# KiCad board HW.ACIM-DBG.kicad_pcb (continued)
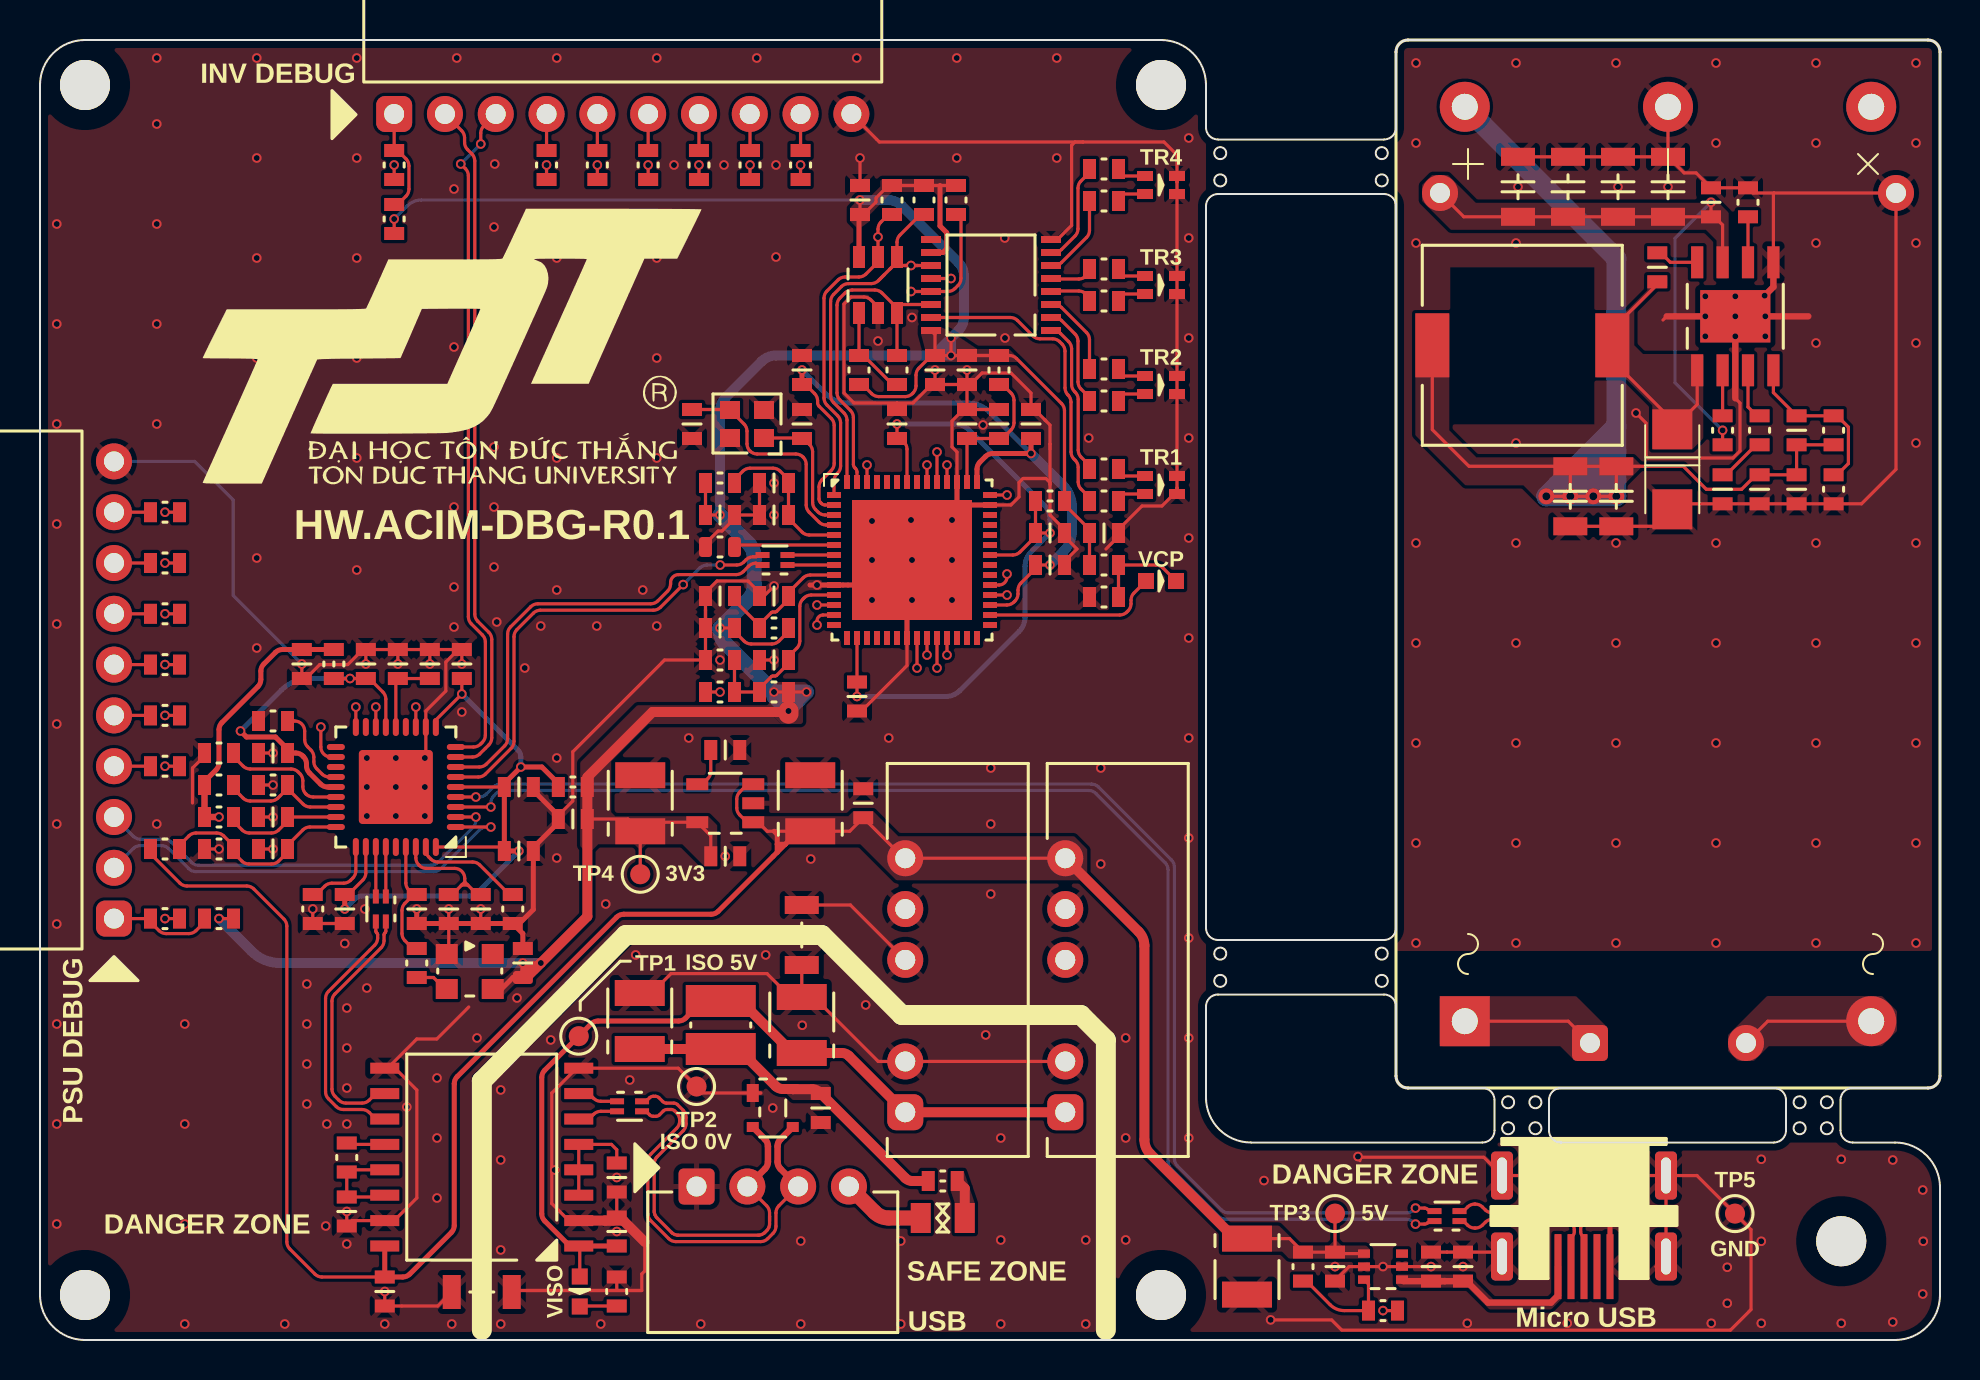
[diagram p0: board, top side]
## Nets
+3V3: C7.+ C8.2 C19.2 C24.2 C25.2 C38.2 C41.2 C44.2 C47.2 C51.2 C52.2 FT4.1 FT5.1 FT7.1 FT8.1 FT9.1 FT10.1 R5.1 R11.2 R15.1 R30.2 R31.2 R33.2 R34.2 R46.2 R47.2 R49.2 TP4.1 U1.5 U4.4 U6.6 U7.10 U7.16
+5V: C2.+ C4.2 C11.2 C15.2 C54.+ MD1.6 R6.1 R48.2 TP3.1 U1.1 U1.3 U3.16 U9.4
+5V_ISO: C1.+ C12.2 D6.A L1.2 MD1.1 TP1.1 U3.1
GND: C2.- C4.1 C5.2 C6.2 C7.- C8.1 C9.1 C10.1 C11.1 C13.1 C14.1 C15.1 C17.1 C18.1 C19.1 C20.1 C21.1 C22.1 C23.1 C24.1 C25.1 C26.1 C27.1 C28.1 C29.1 C30.1 C31.1 C32.1 C33.1 C34.1 C35.1 C36.1 C37.1 C38.1 C39.1 C40.1 C41.1 C42.1 C43.1 C44.1 C45.1 C46.1 C47.1 C48.1 C49.1 C50.1 C51.1 C52.1 C53.1 C54.- D2.1 D2.4 D3.1 D3.4 D4.1 D4.4 D5.1 D5.4 J1.10 J2.5 J2.6 J2.7 J2.8 J2.9 J3.10 MD1.4 MD1.5 R3.2 R7.2 R9.2 R10.2 R12.1 R13.1 R14.1 R16.2 R29.2 TP5.1 U1.2 U2.11 U2.37 U3.9 U3.15 U4.2 U5.10 U5.21 U5.41 U5.45 U5.57 U6.2 U7.8 U8.2 U8.4 U9.2 U9.5
GND_ISO: C1.- C3.1 C5.1 C6.1 C12.1 C16.1 C55.- D1.1 J4.1 MD1.2 R1.2 TP2.1 U3.2 U3.8
PGND: C56.1 C57.1 C58.1 C59.1 C62.1 C63.1 C64.1 C65.1 C66.1 C67.1 D8.A MD3.3 MD4.4 R51.1 R53.1 U10.5 U10.9
/USB HUB/INV_CTS2: J1.9 R27.1
/USB HUB/INV_RTS2: J1.8 R28.1
/USB HUB/INV_RXD1: J1.5 R23.1
/USB HUB/INV_RXD2: J1.7 R25.1
/USB HUB/INV_TXD1: J1.4 R24.1
/USB HUB/INV_TXD2: J1.6 R26.1
/USB HUB/INV_VBUS: J1.1 R45.2 R46.1
/USB HUB/PRG_VBUS: R43.2 R48.1 U9.6
/USB HUB/PSU_CTS2: J3.9 R21.2
/USB HUB/PSU_RTS2: J3.8 R22.2
/USB HUB/PSU_RXD1: J3.5 R17.2
/USB HUB/PSU_RXD2: J3.7 R19.2
/USB HUB/PSU_TXD1: J3.4 R18.2
/USB HUB/PSU_TXD2: J3.6 R20.2
/USB HUB/PSU_VBUS: J3.1 R2.2 R49.1
/USB HUB/SYS_CLK: C18.2 R8.1 U2.33
/USB HUB/USB1_N: D1.3 FT3.3 J4.3
/USB HUB/USB1_P: D1.2 FT3.2 J4.2
/USB HUB/USB2_N: FT2.3 U3.11
/USB HUB/USB2_P: FT2.2 U3.10
/USB HUB/USB3_N: FT11.2 U2.3
/USB HUB/USB3_P: FT11.3 U2.4
/USB HUB/USB4_N: FT6.3 U2.6
/USB HUB/USB4_P: FT6.2 U2.7
/USB HUB/USB5_N: J3.2 U2.1
/USB HUB/USB5_P: J3.3 U2.2
/USB HUB/USB6_N: FT11.1 J2.2
/USB HUB/USB6_P: FT11.4 J2.3
/USB HUB/USB7_N: J1.2 U2.8
/USB HUB/USB7_P: J1.3 U2.9
/USB HUB/VCP_VBUS: C34.2 R16.1 R44.2 R47.1 U5.11
/VCP/EECLK: R33.1 U5.56 U6.4 U7.11
/VCP/EECS: R30.1 U5.1 U6.5 U7.12
/VCP/EEDATA: R32.1 U5.55 U6.3 U7.14
/VCP/OSCI: C32.2 U5.3 U8.1
/VCP/OSCO: C33.2 U5.4 U8.3
/VCP/~{PWREN}: R34.1 U5.54 U7.13
Net-(C26-Pad2): C26.2 C27.2 FT4.2 U2.15 U2.23
Net-(C28-Pad2): C28.2 C29.2 C30.2 C31.2 FT5.2 U2.5 U2.10 U2.29 U2.36
Net-(C48-Pad2): C48.2 C49.2 C50.2 FT10.2 U5.16 U5.36 U5.50
Net-(C59-Pad2): C59.2 R52.1
Net-(D1-CH3): C3.2 C55.+ D1.4 FT1.2 L1.1
Net-(D2-GA): D2.2 R42.2
Net-(D2-RA): D2.3 R41.2
Net-(D3-GA): D3.2 R40.2
Net-(D3-RA): D3.3 R39.2
Net-(D4-GA): D4.2 R38.2
Net-(D4-RA): D4.3 R37.2
Net-(D5-GA): D5.2 R36.2
Net-(D5-RA): D5.3 R35.2
Net-(D6-PadK): D6.K R1.1
Net-(D7-PadK): D7.K R3.1 R15.2
Net-(F1-Pad1): F1.1 J4.4
Net-(F1-Pad2): F1.2 FT1.1
Net-(J2-VCC): C9.2 C10.2 J2.1 U9.1
Net-(MD3-ACL): MD3.2 MD4.2
Net-(MD3-ACN): MD3.1 MD4.1
Net-(MD3-DC+): C56.2 C57.2 C58.2 C64.2 C65.2 MD3.4 R50.2 U10.7
Net-(MD4-DC+): C61.2 C62.2 C63.2 C66.2 C67.2 L2.2 MD4.5 R54.2
Net-(U1-NC/BP): C53.2 U1.4
Net-(U2-CRFILT): C22.2 C23.2 U2.14
Net-(U2-HS_IND/CFG_SEL1): R11.1 R14.2 U2.25
Net-(U2-PLLFILT): C20.2 C21.2 U2.34
Net-(U2-PRTPWR1/BC_EN1): R2.1 U2.12
Net-(U2-PRTPWR2/BC_EN2): R43.1 U2.16
Net-(U2-PRTPWR3/BC_EN3): R44.1 U2.18
Net-(U2-PRTPWR4/BC_EN4): R45.1 U2.20
Net-(U2-RBIAS): R9.1 U2.35
Net-(U2-SCL/SMBCLK/CFG_SEL0): R13.2 U2.24
Net-(U2-SDA/SMBDATA/NON_REM1): R10.1 U2.22
Net-(U2-SUSP_IND/LOCAL_PWR/NON_REM0): R12.2 U2.28
Net-(U2-USBDM_UP): FT2.4 U2.30
Net-(U2-USBDP_UP): FT2.1 U2.31
Net-(U2-VBUS_DET): C14.2 R6.2 R7.1 U2.27
Net-(U2-~{RESET}): C17.2 R5.2 U2.26
Net-(U3-PDEN): C16.2 U3.3 U3.4 U3.5
Net-(U3-PIN): R4.1 U3.12
Net-(U3-SPD): C13.2 R4.2 U3.13 U3.14
Net-(U3-UD+): FT3.1 U3.7
Net-(U3-UD-): FT3.4 U3.6
Net-(U4-CLKO): R8.2 U4.3
Net-(U5-ADBUS0/TXD): R17.1 U5.12
Net-(U5-ADBUS1/RXD): R18.1 U5.13
Net-(U5-BDBUS0/TXD): R19.1 U5.22
Net-(U5-BDBUS1/RXD): R20.1 U5.23
Net-(U5-BDBUS2/~{RTS}): R21.1 U5.24
Net-(U5-BDBUS3/~{CTS}): R22.1 U5.25
Net-(U5-CDBUS0/TXD): R23.2 U5.32
Net-(U5-CDBUS1/RXD): R24.2 U5.33
Net-(U5-DDBUS0/TXD): R25.2 U5.42
Net-(U5-DDBUS1/RXD): R26.2 U5.46
Net-(U5-DDBUS2/~{RTS}): R27.2 U5.47
Net-(U5-DDBUS3/~{CTS}): R28.2 U5.48
Net-(U5-DM): FT6.4 U5.7
Net-(U5-DP): FT6.1 U5.8
Net-(U5-REF): R29.1 U5.6
Net-(U5-VPHY): C39.2 C40.2 FT7.2 U5.5
Net-(U5-VPLL): C42.2 C43.2 FT8.2 U5.9
Net-(U5-VREGIN): C45.2 C46.2 FT9.2 U5.44
Net-(U5-VREGOUT): C35.2 C36.2 C37.2 U5.2 U5.31 U5.43
Net-(U5-~{SUSPEND}): D7.A U5.30
Net-(U6-DO): R31.1 R32.2 U6.1
Net-(U7-Q0): R41.1 U7.15
Net-(U7-Q1): R42.1 U7.1
Net-(U7-Q2): R39.1 U7.2
Net-(U7-Q3): R40.1 U7.3
Net-(U7-Q4): R37.1 U7.4
Net-(U7-Q5): R38.1 U7.5
Net-(U7-Q6): R35.1 U7.6
Net-(U7-Q7): R36.1 U7.7
Net-(U10-BST): C60.1 U10.8
Net-(U10-COMP): R52.2 U10.3
Net-(U10-EN): R50.1 U10.2
Net-(U10-FB): C61.1 R53.2 R54.1 U10.4
Net-(U10-FREQ): R51.2 U10.6
Net-(U10-SW): C60.2 D8.K L2.1 U10.1

Pads without a net: J2 4; MD4 3; U2 13 17 19 21 32; U4 1; U5 14 15 17 18 19 20 26 27 28 29 34 35 37 38 39 40 49 51 52 53; U7 9; U9 3

## Via types
v1: diameter 0.48, hole 0.3, Top to Bottom, 357 vias
v2: diameter 0.8, hole 0.4, Top to Bottom, 4 vias

## Routing (per net, layer and track width the routed paths; a pad name or vN(x,y) marks a point on that pad's centre or on a via; arc(x,y) is an arc through that point)
+3V3: length 194.8
  Top w0.16: C7.+ 30.46,25.89 U1.5 33.54,25.21 C8.2 ; C7.+ 29.4,26.05 C25.2 27.37,25.87 ; C7.+ TP4.1 ; R47.2 v1(38.33,32.4) ; R47.2 v1(36.7,32.4) ; R47.2 v1(37.43,31.45) ; R15.1 C47.2 52.47,40.52 51.22,41.77 FT10.1 51.22,46.47 arc(51.19,46.66) 51.08,46.82 48.82,49.08 arc(48.66,49.19) 48.47,49.23 FT9.1 v1(45.55,49.23) ; 44.93,54.38 U7.10 44.18,54.38 ; 22.54,17.55 22.54,17.4 ; 40.95,56.23 C51.2 ; C51.2 41.18,56.27 41.8,56.9 41.8,57.1 42.43,57.73 R30.2 R34.2 ; C51.2 v1(41,57) ; 24.64,18.85 24.14,18.35 C19.2 24.32,18.12 ; 24.64,18.85 v1(25.04,18.85) ; 24.64,18.85 24.49,18.85 ; R31.2 41.12,47.77 41.58,47.32 arc(41.75,47.21) 41.94,47.17 43.26,47.17 arc(43.45,47.21) 43.62,47.32 43.65,47.35 arc(43.76,47.52) 43.8,47.71 43.8,48.24 arc(43.84,48.43) 43.95,48.6 44.58,49.23 C52.2 ; 24.32,18.67 v1(24.14,18.85) 24.49,18.85 ; 24.32,18.67 24.49,18.85 ; 24.32,18.67 24.14,18.5 24.14,18.45 ; C52.2 44.75,50.27 U7.16 ; C52.2 v1(45.55,49.23) ; v1(34,41.25) C38.2 FT7.1 ; v1(45.55,49.23) v1(45.55,50.1) ; 40.97,54.17 U6.6 ; v1(34,35.6) C41.2 34.72,35.42 35.2,34.95 arc(35.37,34.84) 35.56,34.8 36.59,34.8 arc(36.78,34.84) 36.95,34.95 37.43,35.42 FT8.1 ; 8.23,27.92 R11.2 ; R49.2 v1(8.95,21.07) ; 17.71,55.33 v1(17.71,56.05) ; U4.4 22.64,17.26 22.66,17.24
  Top w0.25: 8.23,27.92 8.8,28.5 arc(8.91,28.67) 8.95,28.86 8.95,30.52 arc(8.99,30.71) 9.1,30.87 10.9,32.67 arc(11,32.83) 11.04,33.02 11.04,33.44 arc(11.08,33.63) 11.19,33.8 11.77,34.38 arc(11.93,34.49) 12.12,34.52 C24.2 FT4.1 ; 45,57.73 45,55.7 45.34,55.37 45.34,54.56 45.15,54.38 44.93,54.38 ; 22.54,17.55 23.07,17.55 23.65,18.12 C19.2 v1(24.14,18.85) ; U6.6 40.95,56.23 ; 37.38,31.4 v1(37.43,31.45) ; FT5.1 27.37,27.84
  Top w0.32: v1(8.95,26.15) R5.1 R11.2
  Top w0.5: 27.37,25.87 27.37,21.17 v1(25.04,18.85) 24.32,18.12 ; 27.37,27.84 27.37,28.14 30.63,31.4 37.38,31.4 ; C25.2 FT5.1
  Top w1: 37.43,31.31 v1(37.43,31.45)
  In1.Cu w0.16: v1(45.55,50.1) v1(45.55,49.23)
  In1.Cu w0.5: v1(8.95,21.07) 8.34,21.68 arc(8.23,21.84) 8.19,22.03 8.19,25.18 arc(8.23,25.38) 8.34,25.54 v1(8.95,26.15)
  Bottom w0.16: v1(36.7,32.4) 37.1,32 37.93,32 ; v1(41,57) 19.07,57 arc(18.69,56.92) 18.36,56.71 v1(17.71,56.05) ; v1(24.14,18.85) 23.84,18.85 ; 37.43,31.5 37.43,31.4
  Bottom w0.5: 45.55,49.7 v1(45.55,49.23) 45.1,49.23 ; 45.55,49.7 45.55,49.67 45.1,49.23 ; 45.55,49.7 v1(45.55,50.1) ; v1(41,57) 42.39,57 arc(42.77,56.92) 43.09,56.71 45.91,53.89 arc(46.12,53.57) 46.2,53.19 46.2,51.16 arc(46.12,50.78) 45.91,50.46 v1(45.55,50.1) ; v1(8.95,21.07) 10.58,19.44 arc(11.23,19) 12,18.85 v1(25.04,18.85) ; v1(45.55,50.1) 44.68,49.23 44.35,49.23 ; 44.35,49.23 36.79,49.23 arc(36.41,49.15) 36.08,48.93 34.29,47.14 arc(34.08,46.82) 34,46.44 v1(34,41.25) ; 44.35,49.23 45.1,49.23
  Bottom w0.75: v1(37.43,31.45) 36.7,32.17 v1(36.7,32.4) ; v1(36.7,32.4) 34.29,34.81 arc(34.08,35.13) 34,35.51 v1(34,35.6) 35.42,37.02 arc(35.63,37.34) 35.71,37.72 35.71,39.13 arc(35.63,39.51) 35.42,39.83 v1(34,41.25) ; v1(36.7,32.4) 38.28,32.4 ; 37.43,31.5 v1(38.33,32.4)
+5V: length 119.3
  Top w0.16: C15.2 14.1,3.15 arc(13.91,3.19) 13.75,3.3 12.49,4.55 arc(12.38,4.72) 12.34,4.91 12.34,20.69 arc(12.3,20.88) 12.2,21.05 10.69,22.55 arc(10.53,22.66) 10.33,22.7 7.35,22.7 arc(7.15,22.74) 6.99,22.85 5.67,24.17 arc(5.56,24.33) 5.53,24.52 R6.1 ; C11.2 R48.2 62.48,5.07 C2.+ ; C11.2 TP3.1 ; C11.2 64.83,4.32 U9.4 ; MD1.6 MD1.6 43.19,24.09 C4.2 40.49,25.44 C54.+ 36.36,25.44 35.91,25.89 U1.1 35.56,25.89 arc(35.37,25.93) 35.2,26.03 34.98,26.25 arc(34.88,26.42) 34.84,26.61 34.84,27.04 arc(34.88,27.23) 34.98,27.4 35.23,27.64 arc(35.39,27.75) 35.58,27.79 U1.3 ; U3.16 17.79,4.7
  Top w0.25: C54.+ 37.91,25.44 37.26,24.79 ; 36.86,24.79 36.86,25.29 36.71,25.44 ; 36.86,24.79 36.86,24.39 ; 36.86,24.79 37.26,24.79 ; 37.26,24.79 36.86,24.39 ; U3.16 C15.2 18.13,3.15 arc(18.33,3.19) 18.49,3.3 20.57,5.37 arc(20.67,5.54) 20.71,5.73 20.71,12.81 arc(20.75,13) 20.86,13.17 28.83,21.14 arc(29,21.25) 29.19,21.29 33.56,21.29 arc(33.75,21.33) 33.91,21.43 36.86,24.39
  Top w0.5: MD1.6 54.93,20.42 arc(55.14,20.1) 55.22,19.72 55.22,10.01 arc(55.3,9.63) 55.51,9.31 59.46,5.36 arc(59.78,5.15) 60.16,5.07 C2.+
+5V_ISO: length 42.9
  Top w0.16: U3.1 26.99,4.65 D6.A
  Top w0.25: C12.2 U3.1 26.69,4.7 arc(26.5,4.74) 26.34,4.85 25.23,5.95 arc(25.13,6.12) 25.09,6.31 25.09,13.13 arc(25.13,13.32) 25.23,13.49 TP1.1 27.55,15.8 arc(27.71,15.91) 27.9,15.95 31.93,15.95 arc(32.12,15.99) 32.28,16.1 32.99,16.8 arc(33.15,16.91) 33.34,16.95 L1.2
  Top w0.5: L1.2 34.83,16.95 arc(35.02,16.91) 35.18,16.8 37.49,14.5 arc(37.65,14.39) 37.84,14.35 C1.+ 40.09,14.35 arc(40.28,14.31) 40.45,14.2 MD1.1 MD1.1
GND: length 362.6
  Top w0.16: 42.35,37.75 v1(43.6,39) 43.35,38.75 ; 45.85,41.25 v1(45.6,41) ; C26.1 11.62,29.35 ; U5.10 40.4,37.75 ; 52.15,59.9 51.75,59.9 51.58,59.73 51.58,55.73 50.88,55.02 U7.8 ; 52.15,59.9 41.97,59.9 J1.10 41,60.87 ; 52.15,59.9 56.2,59.9 56.85,59.25 56.85,57.9 ; C37.1 51.22,38.92 51.85,39.55 51.22,40.17 C48.1 51.22,40.52 50.5,41.25 50.5,42.77 ; 66,8.97 66,9.07 v1(65.9,9.17) 65.93,9.14 72.19,9.14 J2.7 77.16,8.22 ; U5.41 48.55,41.75 48.95,42.15 48.95,42.88 49.15,43.08 50.3,43.08 50.5,42.88 50.5,42.77 ; R13.1 8.23,29.2 7.62,28.6 7.62,26.85 ; C51.1 v1(41,59.1) ; C46.1 46.18,46.52 45.6,45.95 45.6,44.65 45.85,44.4 U5.45 ; C46.1 C45.1 ; C46.1 C44.1 ; v1(17.24,2.42) C15.1 19.89,1.7 C6.2 20.59,2.8 ; 20.44,19.4 C20.1 v1(20.44,21.55) ; C41.1 33.28,36.5 ; 33.28,36.5 R16.2 31.22,34 26.64,29.41 26.64,26.95 25.92,26.23 C25.1 ; 33.28,36.5 C42.1 33.28,37.38 33.85,37.95 35.4,37.95 35.97,37.38 C43.1 36.2,37.2 v1(36.7,37.7) ; J2.6 72.88,4.39 C9.1 70.35,4.39 ; 77.16,8.22 v1(77.16,7.34) 78.5,6 ; 77.16,8.22 J2.8 ; U3.9 17.75,13.59 18.84,12.5 18.84,7.1 17.71,5.97 U3.15 ; U3.9 17.68,13.59 ; U3.9 17.38,13.59 18.84,15.05 19.84,15.05 21.44,16.65 ; 50.5,42.77 50.5,44.8 ; v1(61.53,1.01) 61.53,1 64.58,1 65.09,0.5 84.52,0.5 85.55,1.53 85.55,5.52 82.85,8.22 J2.8 ; 11.65,24.6 11.6,24.55 C14.1 ; C44.1 v1(46.35,48.5) ; C44.1 46.53,47.77 47.1,48.35 48.55,48.35 49.55,47.35 C36.1 49.72,46.52 50.25,46 ; C44.1 C52.1 ; 50.25,46 50.5,45.75 50.5,44.8 ; 50.25,46 50.3,45.95 ; 8.23,24.37 R7.2 v1(8.95,24.55) ; v1(17.79,27.65) 19.29,29.15 U2.11 19.29,31.45 20.29,32.45 20.29,33.9 20.92,34.52 C29.1 ; 17.87,5.97 U3.15 ; U3.15 15.61,5.97 C13.1 v1(15.34,6.42) ; C29.1 C27.1 ; C29.1 v1(21.09,33.8) ; C27.1 v1(16.29,33.8) ; C27.1 16.14,34.52 15.39,33.77 13.99,33.77 13.29,33.07 C24.1 v1(13.09,33.8) ; v1(69.55,3.67) U9.2 U9.5 65.45,3.67 64.75,2.97 C11.1 ; 50.5,44.8 50.5,44.55 ; C21.1 v1(22.04,21.55) ; 56.85,57.9 56.85,42.6 ; 56.85,57.9 D5.1 ; 53.3,39.55 53.93,40.17 C47.1 53.93,40.52 55.1,41.7 56.1,41.7 56.85,42.45 56.85,42.6 ; D2.4 56.85,42.6 ; C5.2 40.52,21.75 MD1.4 ; U6.2 41.9,51.44 arc(41.86,51.63) 41.75,51.8 41.55,52 arc(41.38,52.11) 41.19,52.15 40.55,52.15 40.2,51.8 40.2,47.35 40.7,46.85 42.85,46.85 ; 70.35,4.4 70.35,4.39 ; 70.35,4.39 C10.1 ; C30.1 R12.1 v1(13.64,21.55) ; C52.1 44.58,47.77 43.65,46.85 42.85,46.85 ; C52.1 v1(44.75,48.5) ; U5.21 43.35,33.72 41.08,31.45 C49.1 ; 42.85,46.85 C50.1 ; C23.1 v1(17.89,33.8) ; R14.1 v1(11.65,27.75) ; C17.1 v1(11.65,26.15) ; 40.15,37.75 v1(38.85,37.75) ; 80.8,3.67 J2.9 J2.8 ; R29.2 33.28,39.83 33.9,40.45 34.1,40.45 34.72,41.08 C38.1 C40.1 C39.1 ; C22.1 v1(19.49,33.8) ; C34.1 v1(36.7,34)
  Top w0.25: 42.35,37.75 38.5,37.75 ; U5.41 46.35,41.75 ; C28.1 24.67,27.47 25.92,26.22 C25.1 25.92,25.87 24.67,24.62 C31.1 24.67,21.52 23.97,20.83 R9.2 ; R9.2 C18.1 v1(18.84,21.55) ; R9.2 24.14,20.32 C19.1 24.12,19.57 ; J2.5 78.5,6 ; U5.21 43.35,38.75 ; U5.45 45.85,41.25
  In1.Cu w0.16: v1(15.34,6.42) v1(15.34,4.8) 15.34,4.33 v1(17.24,2.42) ; 20.04,33.8 v1(21.09,33.8) ; 20.04,33.8 v1(16.29,33.8) ; 20.04,33.8 v1(13.09,33.8) 14.69,33.8 14.69,30.4 13.64,29.35 v1(11.65,29.35) 11.65,25.65 ; v1(11.65,24.55) 11.65,25.65 ; v1(11.65,24.55) v1(8.95,24.55) ; v1(11.65,24.55) 13.64,22.56 v1(13.64,21.55) 14.29,20.9 18.19,20.9 v1(18.84,21.55) v1(22.04,21.55) ; 11.65,25.65 v1(11.65,26.15) ; v1(36.7,34) v1(36.7,37.7) ; v1(46.35,48.5) v1(44.75,48.5) 44.75,45.25 42.6,43.1 37.4,43.1 36.3,44.2 36.3,45.8
  Bottom w0.16: J3.10 7.73,43.93 9.66,42 9.66,37.23 v1(13.09,33.8)
  vias: v1(0.84,55.8) v1(0.84,50.8) v1(0.84,45.8) v1(0.84,40.8) v1(0.84,35.8) v1(0.84,30.8) v1(0.84,25.8) v1(0.84,20.8) v1(0.84,15.8) v1(0.84,10.8) v1(0.84,5.8) v1(5.84,64.1) v1(5.84,60.8) v1(5.84,55.8) v1(5.84,50.8) v1(5.84,45.8) v1(5.84,25.8) v1(7.24,15.8) v1(7.24,10.8) v1(7.24,5.8) v1(7.24,0.8) v1(10.84,64.1) v1(10.84,59.1) v1(10.84,54.1) v1(10.84,49.1) v1(10.84,44.1) v1(10.84,39.1) v1(10.84,34.6) v1(12.24,0.8) v1(13.34,17.8) v1(13.34,15.8) v1(13.34,13.8) v1(13.34,11.8) v1(14.29,5.7) v1(14.34,10.8) v1(15.24,19.83) v1(15.34,16.6) v1(15.34,14.6) v1(15.34,12.6) v1(15.34,10.8) v1(15.84,64.1) v1(15.84,59.1) v1(15.84,54.1) v1(15.84,49.1) v1(15.84,44.1) v1(15.84,38.5) v1(16.24,21.55) v1(16.34,29.1) v1(16.34,27.65) v1(16.34,26.2) v1(16.34,17.6) v1(17.24,0.8) v1(17.79,29.1) v1(17.79,26.2) v1(18.34,11.65) v1(19.24,29.1) v1(19.24,27.65) v1(19.24,26.2) v1(19.85,13.1) v1(19.85,10.1) v1(19.85,7.1) v1(20.59,0.8) v1(20.7,57.55) v1(20.7,53.65) v1(20.7,49.65) v1(20.7,45.65) v1(20.7,41.65) v1(20.7,37.65) v1(20.7,35.65) v1(20.84,64.1) v1(21.09,31.4) v1(21.85,15.1) v1(22.7,55.65) v1(22.7,51.65) v1(22.7,47.65) v1(22.7,44.65) v1(22.7,41.65) v1(22.7,38.65) v1(22.74,58.8) v1(22.84,35.9) v1(23.85,17.1) v1(24.24,33.6) v1(25.04,35.7) v1(25.84,64.1) v1(25.84,54.1) v1(25.84,49.1) v1(25.84,44.1) v1(25.84,37.5) v1(25.84,29.1) v1(25.84,24.1) v1(27.84,35.7) v1(28.29,21.8) v1(30.14,37.5) v1(30.84,64.1) v1(30.84,54.1) v1(30.84,49.1) v1(30.84,44.1) v1(30.84,35.7) v1(31.7,58.75) v1(32.44,30.1) v1(34,34) v1(34.2,58.75) v1(34.26,24.19) v1(35.84,64.1) v1(36.7,42.85) v1(36.7,41.25) v1(36.8,58.75) v1(36.8,54.15) v1(38.54,24.05) v1(40.84,64.1) v1(41.6,40.95) v1(41.6,39) v1(41.6,37) v1(41.9,49.95) v1(42.44,30.1) v1(43.6,51.12) v1(43.55,41) v1(43.6,37) v1(45.6,39) v1(45.6,37) v1(45.84,64.1) v1(45.84,59.1) v1(47.15,45.75) v1(47.54,28.6) v1(47.54,25.8) v1(47.54,22.3) v1(48.24,55.1) v1(48.25,50.1) v1(50.84,64.1) v1(50.84,59.1) v1(52.44,45.1) v1(53.04,28.6) v1(53.04,23.8) v1(54.28,15.1) v1(54.28,10.1) v1(54.28,5) v1(57.44,60.1) v1(57.44,55.1) v1(57.44,50.1) v1(57.44,45.1) v1(57.44,40.1) v1(57.44,35.1) v1(57.44,30.1) v1(57.44,25.1) v1(57.44,20.1) v1(57.44,15.1) v1(57.44,10.1) v1(61.2,7.97) v1(64.75,3.67) v1(67.15,3.67) v1(71.15,3.67) v1(71.36,0.84) v1(76.36,0.84) v1(83.56,0.84) v1(84.36,3.64) v1(84.36,1.84) v1(86.06,9.04) v1(86.06,4.94) v1(86.06,0.84) v1(90.06,9.04) v1(90.06,0.84) v1(92.64,9) v1(92.64,0.9) v1(94.14,7.5) v1(94.16,4.94) v1(94.14,2.3)
GND_ISO: length 62.8
  Top w0.16: C12.1 28.99,6.15 30.24,4.9 30.24,3.45 30.09,3.3 30.09,2.47 28.84,2.47 ; C12.1 C16.1 ; C12.1 28.66,5.97 ; 32.64,12.6 32.64,12.86 31.91,13.59 U3.8 26.83,13.59 25.59,12.35 25.59,6.83 26.44,5.97 U3.2 26.46,5.97 ; 32.64,12.6 32.89,12.35 36.04,12.35 D1.1 ; 32.64,12.6 32.83,12.41 ; 28.84,2.47 23.66,2.47 C6.1 23.59,2.78 ; 28.84,2.47 R1.2 ; C5.1 C1.- ; C1.- 38.69,17.15 41.91,13.93 MD1.2 MD1.2 ; C1.- 37.52,17.15 36.35,18.32 31.55,18.32 30.58,17.35 C55.-
  Top w0.5: U3.2 28.24,5.97 ; 28.24,5.97 28.66,5.97 ; 28.24,5.97 29.17,5.97 30.24,4.9
  vias: v1(23.03,12.5) v1(23.03,9) v1(23.03,4.5) v1(23.04,0.8) v1(25.53,15) v1(25.74,8.5) v1(28.04,0.8) v1(28.84,8.12) v1(28.84,5.42) v1(29.49,13) v1(29.78,19.25) v1(33.04,0.8) v1(36.28,19.25) v1(36.64,11.6) v1(38.11,15.74) v1(38.04,4.95) v1(38.04,0.8) v1(41.28,16.75) v1(43.04,4.95) v1(43.04,0.8) v1(47.28,15.25) v1(48.04,10.1) v1(48.04,5) v1(48.04,0.8) v1(52.29,5) v1(52.29,0.8)
PGND: length 83.1
  Top w0.16: 76.11,40.68 C62.1 C66.1 80.77,40.68 D8.A 81.89,41.81 C59.1 R53.1 91.08,41.81 92.8,43.53 MD3.3 86.7,57.35 ; U10.5 86.67,57.32 86.7,57.35 ; 86.7,57.35 85.66,57.35 R51.1 C57.1 82.81,58.35 82.21,58.35 C56.1 ; C65.1 C56.1 ; C56.1 MD4.4 ; C56.1 82,59.16 ; 84.77,47.08 85,46.85 85,44.45 84.65,44.1 80.4,44.1 80.3,44.2 80.3,45.85 v1(79.8,46.35) ; v1(84.77,51.18) v1(84.77,50.18) ; v1(84.77,51.18) v1(86.27,51.18) ; v1(84.77,51.18) v1(83.27,51.18) ; v1(84.77,51.18) 85.2,51.18 v1(86.23,52.22) ; 88.41,51.18 88.45,51.15 ; 81.34,51.18 81.15,51
  Top w0.32: v1(86.23,52.22) 86.67,52.66 U10.5 ; v1(86.27,51.18) 88.41,51.18 ; v1(84.77,50.18) 84.77,47.08 ; v1(83.27,51.18) 81.34,51.18
  vias: v1(68.8,63.85) v1(68.8,59.85) v1(68.8,54.85) v1(68.8,39.85) v1(68.8,34.85) v1(68.8,29.85) v1(68.8,24.85) v1(68.8,19.85) v1(73.8,63.85) v1(73.8,54.85) v1(73.8,44.85) v1(73.8,39.85) v1(73.8,34.85) v1(73.8,29.85) v1(73.8,24.85) v1(73.8,19.85) v1(73.9,57.66) v1(78.8,63.85) v1(78.8,39.85) v1(78.8,34.85) v1(78.8,29.85) v1(78.8,24.85) v1(78.8,19.85) v1(78.9,57.66) v1(81.4,57.66) v1(83.27,52.18) v1(83.27,50.18) v1(83.8,63.85) v1(83.8,59.85) v1(83.8,39.85) v1(83.8,34.85) v1(83.8,29.85) v1(83.8,24.85) v1(83.8,19.85) v1(84.77,52.18) v1(86.27,50.18) v1(88.8,63.85) v1(88.8,59.85) v1(88.8,54.85) v1(88.8,49.85) v1(88.8,39.85) v1(88.8,34.85) v1(88.8,29.85) v1(88.8,24.85) v1(88.8,19.85) v1(93.8,63.85) v1(93.8,59.85) v1(93.8,54.85) v1(93.8,49.85) v1(93.8,44.85) v1(93.8,39.85) v1(93.8,34.85) v1(93.8,29.85) v1(93.8,24.85) v1(93.8,19.85)
/USB HUB/INV_CTS2: length 1.8
  Top w0.16: R27.1 J1.9
/USB HUB/INV_RTS2: length 1.8
  Top w0.16: R28.1 35.5,61.29 J1.8
/USB HUB/INV_RXD1: length 1.8
  Top w0.16: R23.1 J1.5
/USB HUB/INV_RXD2: length 1.8
  Top w0.16: R25.1 J1.7
/USB HUB/INV_TXD1: length 1.8
  Top w0.16: J1.4 R24.1
/USB HUB/INV_TXD2: length 1.8
  Top w0.16: R26.1 J1.6
/USB HUB/INV_VBUS: length 5.3
  Top w0.16: R46.1 17.88,56.77 18.3,57.19 arc(18.41,57.36) 18.45,57.55 18.45,58.7 arc(18.41,58.89) 18.3,59.06 17.88,59.48 R45.2 J1.1
/USB HUB/PRG_VBUS: length 5.5
  Top w0.16: U9.6 66.43,2.79 R43.2 65.21,1.47 arc(64.83,1.55) 64.51,1.76 63.33,2.94 R48.1
/USB HUB/PSU_CTS2: length 1.8
  Top w0.16: R21.2 J3.9
/USB HUB/PSU_RTS2: length 1.8
  Top w0.16: R22.2 J3.8
/USB HUB/PSU_RXD1: length 1.8
  Top w0.16: R17.2 J3.5
/USB HUB/PSU_RXD2: length 1.8
  Top w0.16: R19.2 J3.7
/USB HUB/PSU_TXD1: length 1.8
  Top w0.16: R18.2 J3.4
/USB HUB/PSU_TXD2: length 1.8
  Top w0.16: R20.2 J3.6
/USB HUB/PSU_VBUS: length 5.3
  Top w0.16: R49.1 8.23,20.89 7.8,20.47 arc(7.63,20.36) 7.44,20.32 6.31,20.32 arc(6.12,20.36) 5.95,20.47 5.53,20.89 R2.2 J3.1
/USB HUB/SYS_CLK: length 6.2
  Top w0.16: R8.1 18.64,19.58 18.24,19.97 arc(18.14,20.13) 18.1,20.32 18.1,21.48 arc(18.14,21.67) 18.24,21.83 18.69,22.28 C18.2 18.66,22.28 18.44,22.5 arc(18.33,22.66) 18.29,22.85 U2.33
/USB HUB/USB1_N: length 21.2
  Top w0.16: 37.91,7.67 36.94,6.71 arc(36.84,6.55) 36.8,6.36 36.8,5.68 arc(36.76,5.49) 36.65,5.33 36.39,5.07 arc(36.22,4.96) 36.03,4.92 31.79,4.92 arc(31.6,4.96) 31.44,5.07 30.54,5.97 arc(30.43,6.13) 30.39,6.32 30.39,8.94 arc(30.43,9.13) 30.54,9.29 31.84,10.59 arc(31.94,10.75) 31.98,10.95 31.98,11 arc(31.94,11.19) 31.84,11.35 31.74,11.45 arc(31.65,11.51) 31.56,11.53 31.35,11.53 arc(31.25,11.51) 31.17,11.45 30.98,11.26 arc(30.89,11.2) 30.8,11.19 30.66,11.19 arc(30.56,11.2) 30.48,11.26 30.38,11.36 arc(30.29,11.42) 30.2,11.44 FT3.3
  Top w0.32: D1.3 37.02,10.04 arc(36.92,9.87) 36.88,9.68 36.88,8.91 arc(36.92,8.72) 37.02,8.56 37.91,7.67
/USB HUB/USB1_P: length 21
  Top w0.16: D1.2 35.56,10.65 ; 36.48,5.94 36.48,6.18 ; 36.48,6.18 36.48,6.36 arc(36.44,6.55) 36.33,6.71 35.37,7.67 ; 36.48,6.18 36.48,5.82 36.48,5.75 36.44,5.62 36.38,5.51 36.33,5.46 36.25,5.39 36.21,5.34 36.09,5.28 35.97,5.24 35.9,5.24 31.92,5.24 31.86,5.24 31.73,5.28 31.62,5.34 31.57,5.39 30.86,6.1 30.81,6.15 30.75,6.26 30.71,6.39 30.71,6.45 30.71,8.81 30.71,8.87 30.75,9 30.81,9.11 30.86,9.16 32.16,10.46 arc(32.26,10.62) 32.3,10.81 32.3,11.13 arc(32.26,11.32) 32.16,11.48 31.87,11.77 arc(31.79,11.83) 31.69,11.84 31.32,11.84 arc(31.23,11.86) 31.14,11.92 30.95,12.11 arc(30.87,12.17) 30.77,12.19 30.66,12.19 arc(30.56,12.17) 30.48,12.11 30.38,12.01 arc(30.29,11.95) 30.2,11.94 FT3.2
  Top w0.32: D1.2 36.25,10.04 arc(36.36,9.87) 36.4,9.68 36.4,8.91 arc(36.36,8.72) 36.25,8.56 35.37,7.67
/USB HUB/USB2_N: length 13.3
  Top w0.16: 16.79,20.72 FT2.3 16.79,20.44 arc(16.8,20.4) 16.82,20.37 16.85,20.34 arc(16.87,20.31) 16.88,20.27 16.88,20.1 arc(16.84,19.91) 16.74,19.74 14.42,17.43 arc(14.32,17.27) 14.28,17.08 14.28,12.41 arc(14.32,12.22) 14.42,12.06 14.81,11.67 arc(14.97,11.56) 15.16,11.53 16.11,11.53 arc(16.3,11.49) 16.46,11.38 16.64,11.2 arc(16.8,11.09) 16.99,11.05 U3.11
/USB HUB/USB2_P: length 12.6
  Top w0.16: U3.10 16.99,12.32 arc(16.8,12.28) 16.64,12.17 16.46,11.99 arc(16.3,11.88) 16.11,11.84 15.3,11.84 arc(15.1,11.88) 14.94,11.99 14.74,12.19 arc(14.64,12.35) 14.6,12.54 14.6,16.95 arc(14.64,17.14) 14.74,17.3 17.06,19.61 arc(17.16,19.77) 17.2,19.97 17.2,20.27 arc(17.21,20.31) 17.23,20.34 17.26,20.37 arc(17.28,20.4) 17.29,20.44 FT2.2
/USB HUB/USB3_N: length 67.2
  Top w0.16: FT11.2 69.58,5.95 arc(69.48,5.93) 69.4,5.87 69.4,5.87 arc(69.32,5.81) 69.22,5.8 v1(68.78,5.8) ; U2.3 v1(22.54,26.65)
  Bottom w0.16: v1(68.78,5.8) 68.68,5.89 arc(68.52,6) 68.33,6.04 59.29,6.04 arc(59.1,6.07) 58.94,6.18 56.55,8.57 arc(56.44,8.74) 56.4,8.93 56.4,23.51 arc(56.36,23.7) 56.26,23.87 52.79,27.33 arc(52.63,27.44) 52.44,27.48 23.16,27.48 arc(22.97,27.44) 22.81,27.33 22.69,27.21 arc(22.58,27.05) 22.54,26.86 v1(22.54,26.65)
/USB HUB/USB3_P: length 66.9
  Top w0.16: v1(68.78,6.6) 69.22,6.6 arc(69.32,6.58) 69.4,6.52 69.4,6.52 arc(69.48,6.46) 69.58,6.45 FT11.3 ; U2.4 v1(21.79,27.15)
  Bottom w0.16: v1(68.78,6.6) 68.68,6.5 arc(68.52,6.39) 68.33,6.36 59.42,6.36 arc(59.23,6.39) 59.07,6.5 56.87,8.71 arc(56.76,8.87) 56.72,9.06 56.72,23.64 arc(56.68,23.84) 56.58,24 52.92,27.65 arc(52.76,27.76) 52.57,27.8 23.03,27.8 arc(22.84,27.76) 22.68,27.65 22.32,27.3 arc(22.16,27.19) 21.97,27.15 v1(21.79,27.15)
/USB HUB/USB4_N: length 23.1
  Top w0.16: v1(34.01,38.75) 34.83,38.75 arc(35.03,38.79) 35.19,38.9 35.3,39.01 arc(35.47,39.12) 35.66,39.16 35.79,39.16 arc(35.83,39.17) 35.86,39.19 35.9,39.22 arc(35.93,39.24) 35.97,39.25 FT6.3 ; U2.6 21.92,28.15 arc(22.11,28.19) 22.27,28.3 23.55,29.58 arc(23.66,29.74) 23.7,29.93 23.7,35.17 arc(23.74,35.36) 23.85,35.52 24.67,36.34 arc(24.83,36.45) 25.02,36.49 30.67,36.49 arc(30.86,36.53) 31.02,36.64 v1(32.16,37.77)
  Bottom w0.16: v1(32.16,37.77) 32.99,38.6 arc(33.15,38.71) 33.34,38.75 v1(34.01,38.75)
/USB HUB/USB4_P: length 22.9
  Top w0.16: U2.7 21.97,28.65 arc(22.16,28.69) 22.32,28.8 23.23,29.71 arc(23.34,29.87) 23.38,30.06 23.38,35.3 arc(23.42,35.49) 23.53,35.65 24.54,36.66 arc(24.7,36.77) 24.89,36.81 30.54,36.81 arc(30.73,36.85) 30.89,36.96 31.38,37.45 arc(31.49,37.61) 31.53,37.8 31.53,37.8 31.53,37.87 arc(31.65,38.15) 31.93,38.27 34.81,38.27 arc(35,38.31) 35.16,38.42 35.44,38.69 arc(35.6,38.8) 35.79,38.84 35.79,38.84 arc(35.83,38.83) 35.86,38.81 35.9,38.78 arc(35.93,38.76) 35.97,38.75 FT6.2
/USB HUB/USB5_N: length 22.4
  Top w0.16: U2.1 v1(22.54,25.65)
  Bottom w0.16: J3.2 4.66,24.57 arc(4.83,24.68) 5.02,24.72 6.08,24.72 arc(6.27,24.68) 6.43,24.57 7.44,23.57 arc(7.6,23.46) 7.79,23.42 19.68,23.42 arc(19.87,23.46) 20.04,23.57 21.97,25.5 arc(22.14,25.61) 22.33,25.65 v1(22.54,25.65)
/USB HUB/USB5_P: length 21.2
  Top w0.16: U2.2 v1(21.79,26.15)
  Bottom w0.16: v1(21.79,26.15) 21.79,25.98 arc(21.75,25.79) 21.65,25.63 19.9,23.89 arc(19.74,23.78) 19.55,23.74 7.92,23.74 arc(7.73,23.78) 7.57,23.89 6.56,24.89 arc(6.4,25) 6.21,25.04 5.02,25.04 arc(4.83,25.08) 4.66,25.19 J3.3
/USB HUB/USB6_N: length 8.2
  Top w0.16: FT11.1 71.18,5.95 71.38,5.74 arc(71.54,5.63) 71.73,5.6 71.77,5.6 arc(71.96,5.63) 72.12,5.74 72.27,5.89 arc(72.43,6) 72.62,6.04 76.18,6.04 arc(76.37,6) 76.53,5.89 76.57,5.86 arc(76.68,5.69) 76.72,5.5 76.72,5.41 arc(76.69,5.29) 76.63,5.2 76.55,5.12 J2.2
/USB HUB/USB6_P: length 8.7
  Top w0.16: FT11.4 71.18,6.45 71.38,6.65 arc(71.54,6.76) 71.73,6.8 71.77,6.8 arc(71.96,6.76) 72.12,6.65 72.27,6.5 arc(72.43,6.39) 72.62,6.36 76.31,6.36 arc(76.5,6.32) 76.67,6.21 76.89,5.99 arc(77,5.83) 77.04,5.63 77.04,5.41 arc(77.06,5.29) 77.12,5.2 77.2,5.12 J2.3
/USB HUB/USB7_N: length 34.3
  Top w0.16: J1.2 21.08,60.47 arc(21.19,60.3) 21.23,60.11 21.23,59.88 arc(21.27,59.69) 21.38,59.52 21.59,59.31 arc(21.7,59.14) 21.74,58.95 21.74,36.29 arc(21.78,36.1) 21.89,35.94 22.44,35.38 arc(22.55,35.22) 22.59,35.03 22.59,30.11 arc(22.55,29.92) 22.44,29.76 21.98,29.3 arc(21.82,29.19) 21.63,29.15 U2.8
/USB HUB/USB7_P: length 34
  Top w0.16: J1.3 22.18,60.7 arc(22.08,60.53) 22.04,60.34 v1(22.04,59.8) ; v1(21.04,58.8) 21.27,58.57 arc(21.38,58.4) 21.42,58.21 21.42,36.16 arc(21.46,35.97) 21.57,35.81 22.12,35.25 arc(22.23,35.09) 22.27,34.9 22.27,30.24 arc(22.23,30.05) 22.12,29.89 22.03,29.8 arc(21.87,29.69) 21.67,29.65 U2.9
  Bottom w0.16: v1(22.04,59.8) v1(21.04,58.8)
/USB HUB/VCP_VBUS: length 10.2
  Top w0.16: 34.72,33.83 R16.1 R44.2 R47.1 35.97,32.53 arc(35.98,32.57) 36,32.6 36.57,33.17 arc(36.6,33.19) 36.64,33.2 36.76,33.2 arc(36.8,33.21) 36.83,33.23 37.4,33.8 arc(37.42,33.83) 37.43,33.87 C34.2 37.43,34.17 37.84,34.59 arc(37.95,34.76) 37.99,34.95 37.99,36.68 arc(38.03,36.87) 38.14,37.04 38.2,37.1 arc(38.37,37.21) 38.56,37.25 U5.11
/VCP/EECLK: length 20.1
  Top w0.16: 42.2,53.25 41.95,53 ; 42.2,53.25 42.5,53.55 ; 42.2,53.25 41.92,52.97 arc(41.75,52.86) 41.56,52.82 40.43,52.82 arc(40.24,52.78) 40.07,52.67 39.68,52.28 arc(39.57,52.11) 39.53,51.92 39.53,47.22 arc(39.57,47.03) 39.68,46.87 40.2,46.34 arc(40.31,46.18) 40.35,45.99 U5.56 ; 42.5,53.55 42.68,53.73 43.87,53.73 ; 42.5,53.55 42.85,53.9 ; R33.1 44.03,56.27 43,55.25 arc(42.89,55.08) 42.85,54.89 U6.4 42.85,53.9 ; 44.93,53.73 U7.11 43.87,53.73 ; 43.87,53.73 v1(43.55,53.73) 43.23,53.73 ; 42.85,53.9 42.88,53.87
/VCP/EECS: length 22
  Top w0.16: U7.12 v1(45.55,53.08) ; U5.1 39.7,42.95 arc(39.74,43.14) 39.85,43.31 39.88,43.34 arc(39.99,43.51) 40.03,43.7 40.03,45.86 arc(39.99,46.05) 39.88,46.21 39.35,46.75 arc(39.24,46.91) 39.2,47.1 39.2,52.09 arc(39.24,52.28) 39.35,52.45 39.9,53 arc(40.07,53.11) 40.26,53.15 40.94,53.15 arc(41.13,53.19) 41.3,53.3 41.75,53.75 arc(41.86,53.92) 41.9,54.11 U6.5 v1(41.9,55.15) 41.9,55.54 arc(41.94,55.73) 42.05,55.9 42.43,56.27 R30.1
  In1.Cu w0.16: v1(41.9,55.15) 43.27,55.15 arc(43.46,55.11) 43.62,55 v1(45.55,53.08)
/VCP/EEDATA: length 17.3
  Top w0.16: R32.1 U6.3 ; U6.3 42.85,51.39 arc(42.81,51.58) 42.7,51.75 42.1,52.35 arc(41.93,52.46) 41.74,52.5 40.61,52.5 arc(40.42,52.46) 40.25,52.35 40,52.1 arc(39.89,51.93) 39.85,51.74 39.85,47.36 arc(39.89,47.17) 40,47 40.52,46.48 arc(40.63,46.31) 40.67,46.12 40.67,43.78 arc(40.69,43.69) 40.74,43.61 40.78,43.57 arc(40.83,43.49) 40.85,43.4 U5.55 ; U6.3 42.85,51.55 43.08,51.77 U7.14
/VCP/OSCI: length 6.7
  Top w0.16: U8.1 38.08,45.1 C32.2 ; U5.3 39.26,41.25 arc(39.07,41.29) 38.9,41.4 38.78,41.52 arc(38.67,41.69) 38.63,41.88 38.63,44.41 arc(38.59,44.6) 38.48,44.77 38.22,45.02 38.1,45.02
/VCP/OSCO: length 11.4
  Top w0.16: C33.2 34.47,46.52 U8.3 35.2,45.8 arc(35.31,45.63) 35.35,45.44 35.35,44.81 arc(35.39,44.62) 35.5,44.45 35.5,44.45 arc(35.67,44.34) 35.86,44.3 37.79,44.3 arc(37.98,44.26) 38.15,44.15 38.16,44.14 arc(38.27,43.97) 38.31,43.78 38.31,41.74 arc(38.35,41.55) 38.46,41.39 38.95,40.9 arc(39.11,40.79) 39.3,40.75 U5.4
/VCP/~{PWREN}: length 16.7
  Top w0.16: U5.54 v1(41.35,43.75) ; 45.62,56.27 R34.1 46.05,56.02 46.05,53.08 arc(46.01,52.89) 45.9,52.73 45.75,52.57 arc(45.58,52.46) 45.39,52.42 U7.13 v1(43.55,52.42)
  In1.Cu w0.16: v1(43.55,52.42) 41.5,50.37 arc(41.39,50.21) 41.35,50.02 v1(41.35,43.75)
Net-(C26-Pad2): length 17.3
  Top w0.16: FT4.2 v1(15.5,33.07) C27.2 16.47,33.07 17.15,32.4 arc(17.25,32.23) 17.29,32.04 U2.15
  Top w0.25: v1(10.03,30.45) 10.33,30.15 11.78,30.15 12.38,29.55 C26.2 12.78,29.35 arc(12.98,29.31) 13.14,29.2 13.18,29.16 arc(13.29,29) 13.33,28.81 13.33,28.71 arc(13.36,28.52) 13.47,28.35 14.03,27.8 arc(14.19,27.69) 14.38,27.65 U2.23
  Bottom w0.25: v1(15.5,33.07) 13.48,33.07 arc(12.71,32.92) 12.06,32.49 v1(10.03,30.45)
Net-(C28-Pad2): length 34.9
  Top w0.16: U2.36 23.02,24.65 C31.2 ; U2.29 16.29,23.36 arc(16.25,23.17) 16.15,23 15.42,22.28 C30.2 ; U2.10 19.79,31 v1(21.09,32.3) C29.2 ; U2.5 C28.2
  Top w0.25: C30.2 v1(15.24,21.55) ; v1(23.94,24.45) C31.2 C28.2 23.22,27.82 v1(24.04,28.65) 25.09,28.65 25.92,27.82 FT5.2
  Bottom w0.25: v1(23.94,24.45) 21.84,22.35 arc(21.68,22.24) 21.49,22.2 16.09,22.2 arc(15.9,22.16) 15.74,22.05 v1(15.24,21.55) ; v1(24.04,28.65) 24.04,29.14 arc(24,29.33) 23.9,29.5 v1(21.09,32.3)
Net-(C48-Pad2): length 36.6
  Top w0.16: U5.16 C49.2 v1(40.85,32.17) ; C48.2 49.78,40.17 49,39.4 arc(48.83,39.29) 48.64,39.25 U5.36 ; C48.2 FT10.2 ; C48.2 v1(50.5,40.35) ; v1(42.85,45.8) C50.2 43.03,45.08 43.2,44.9 arc(43.31,44.73) 43.35,44.54 U5.50
  Bottom w0.25: v1(40.85,32.17) 45.29,32.17 arc(45.67,32.25) 45.99,32.47 48.96,35.43 arc(49.17,35.76) 49.25,36.14 49.25,38.69 arc(49.33,39.07) 49.54,39.39 v1(50.5,40.35) 50.5,41.04 arc(50.42,41.42) 50.21,41.74 46.44,45.51 arc(46.12,45.72) 45.74,45.8 v1(42.85,45.8)
Net-(C59-Pad2): length 2.5
  Top w0.16: R52.1 85.81,44.76 84.3,43.26 C59.2
Net-(D1-CH3): length 17.1
  Top w0.5: D1.4 37.13,12.55 arc(36.94,12.59) 36.78,12.7 35.07,14.4 arc(34.91,14.51) 34.72,14.55 L1.1 C55.+ ; D1.4 37.65,12.54 38.62,12.54 arc(38.81,12.5) 38.97,12.39 C3.2 43.27,8.1 arc(43.43,7.99) 43.62,7.95 FT1.2 ; D1.4 37.69,12.55
Net-(D2-GA): length 1.6
  Top w0.16: D2.2 54.1,43.2 53.93,43.38 R42.2
Net-(D2-RA): length 1.6
  Top w0.16: R41.2 53.93,42.12 54.1,42.3 D2.3
Net-(D3-GA): length 1.6
  Top w0.16: D3.2 54.05,48.2 53.93,48.33 R40.2
Net-(D3-RA): length 1.6
  Top w0.16: R39.2 53.93,47.12 54.1,47.3 D3.3
Net-(D4-GA): length 1.6
  Top w0.16: D4.2 54.05,53.2 53.93,53.33 R38.2
Net-(D4-RA): length 1.6
  Top w0.16: D4.3 54.05,52.3 53.93,52.17 R37.2
Net-(D5-GA): length 1.6
  Top w0.16: D5.2 54.05,58.2 53.93,58.33 R36.2
Net-(D5-RA): length 1.6
  Top w0.16: R35.2 53.93,57.12 54.1,57.3 D5.3
Net-(D6-PadK): length 1.9
  Top w0.16: D6.K 27.01,1.7 R1.1
Net-(D7-PadK): length 4.8
  Top w0.16: R3.1 R15.2 55.79,38.75 arc(55.98,38.71) 56.15,38.6 D7.K
Net-(F1-Pad1): length 4.2
  Top w0.75: F1.1 42.44,6.1 arc(42.05,6.18) 41.73,6.39 40.45,7.67
Net-(F1-Pad2): length 2
  Top w0.5: FT1.1 46.24,7.58 F1.2
Net-(J2-VCC): length 10.6
  Top w0.32: U9.1 68.18,2.94 70.25,2.94 ; 70.25,2.94 C10.2 ; 70.25,2.94 C9.2 71.33,2.94 72.4,1.87 75.55,1.87 75.9,2.22 J2.1
Net-(MD3-ACL): length 6.7
  Top w0.16: MD3.2 86.39,15.94 MD4.2
Net-(MD3-ACN): length 6.7
  Top w0.16: MD3.1 76.41,15.94 MD4.1
Net-(MD3-DC+): length 31.2
  Top w0.16: R50.2 v1(84.13,45.48) ; C57.2 C65.2 71.19,56.16 MD3.4 ; C57.2 83.72,56.16 84.13,55.75 U10.7 ; C57.2 v1(83.55,56.88)
  Bottom w0.16: v1(83.55,56.88) 81.75,55.08 81.75,47.86 v1(84.13,45.48)
Net-(MD4-DC+): length 72.1
  Top w0.16: v2(75.31,42.18) v2(78.81,42.18) C66.2 ; C62.2 82.16,43.68 83.31,42.53 85.08,42.53 85.8,43.26 C63.2 C67.2 C61.2 R54.2 ; C62.2 v2(76.51,42.18) ; C62.2 71.45,43.68 69.61,45.52 L2.2
  Bottom w1: 78.81,42.98 v2(78.81,42.18) v2(75.31,42.18) 75.86,42.73 ; 78.81,42.98 76.12,42.98 75.86,42.73 ; 78.81,42.98 78.81,43.78 ; 78.81,44.43 77.56,44.43 77.29,44.16 ; 78.81,44.43 78.81,45.68 ; 78.81,44.43 78.81,43.78 ; 77.29,44.16 78.81,45.68 ; 77.29,44.16 76.49,43.36 ; 78.81,45.68 78.81,54.09 MD4.5 ; 78.81,43.78 76.91,43.78 76.49,43.36 ; 75.86,42.73 76.49,43.36
  vias: v2(77.66,42.18)
